# KiCad board backplane.20-slot.kicad_pcb (continued)
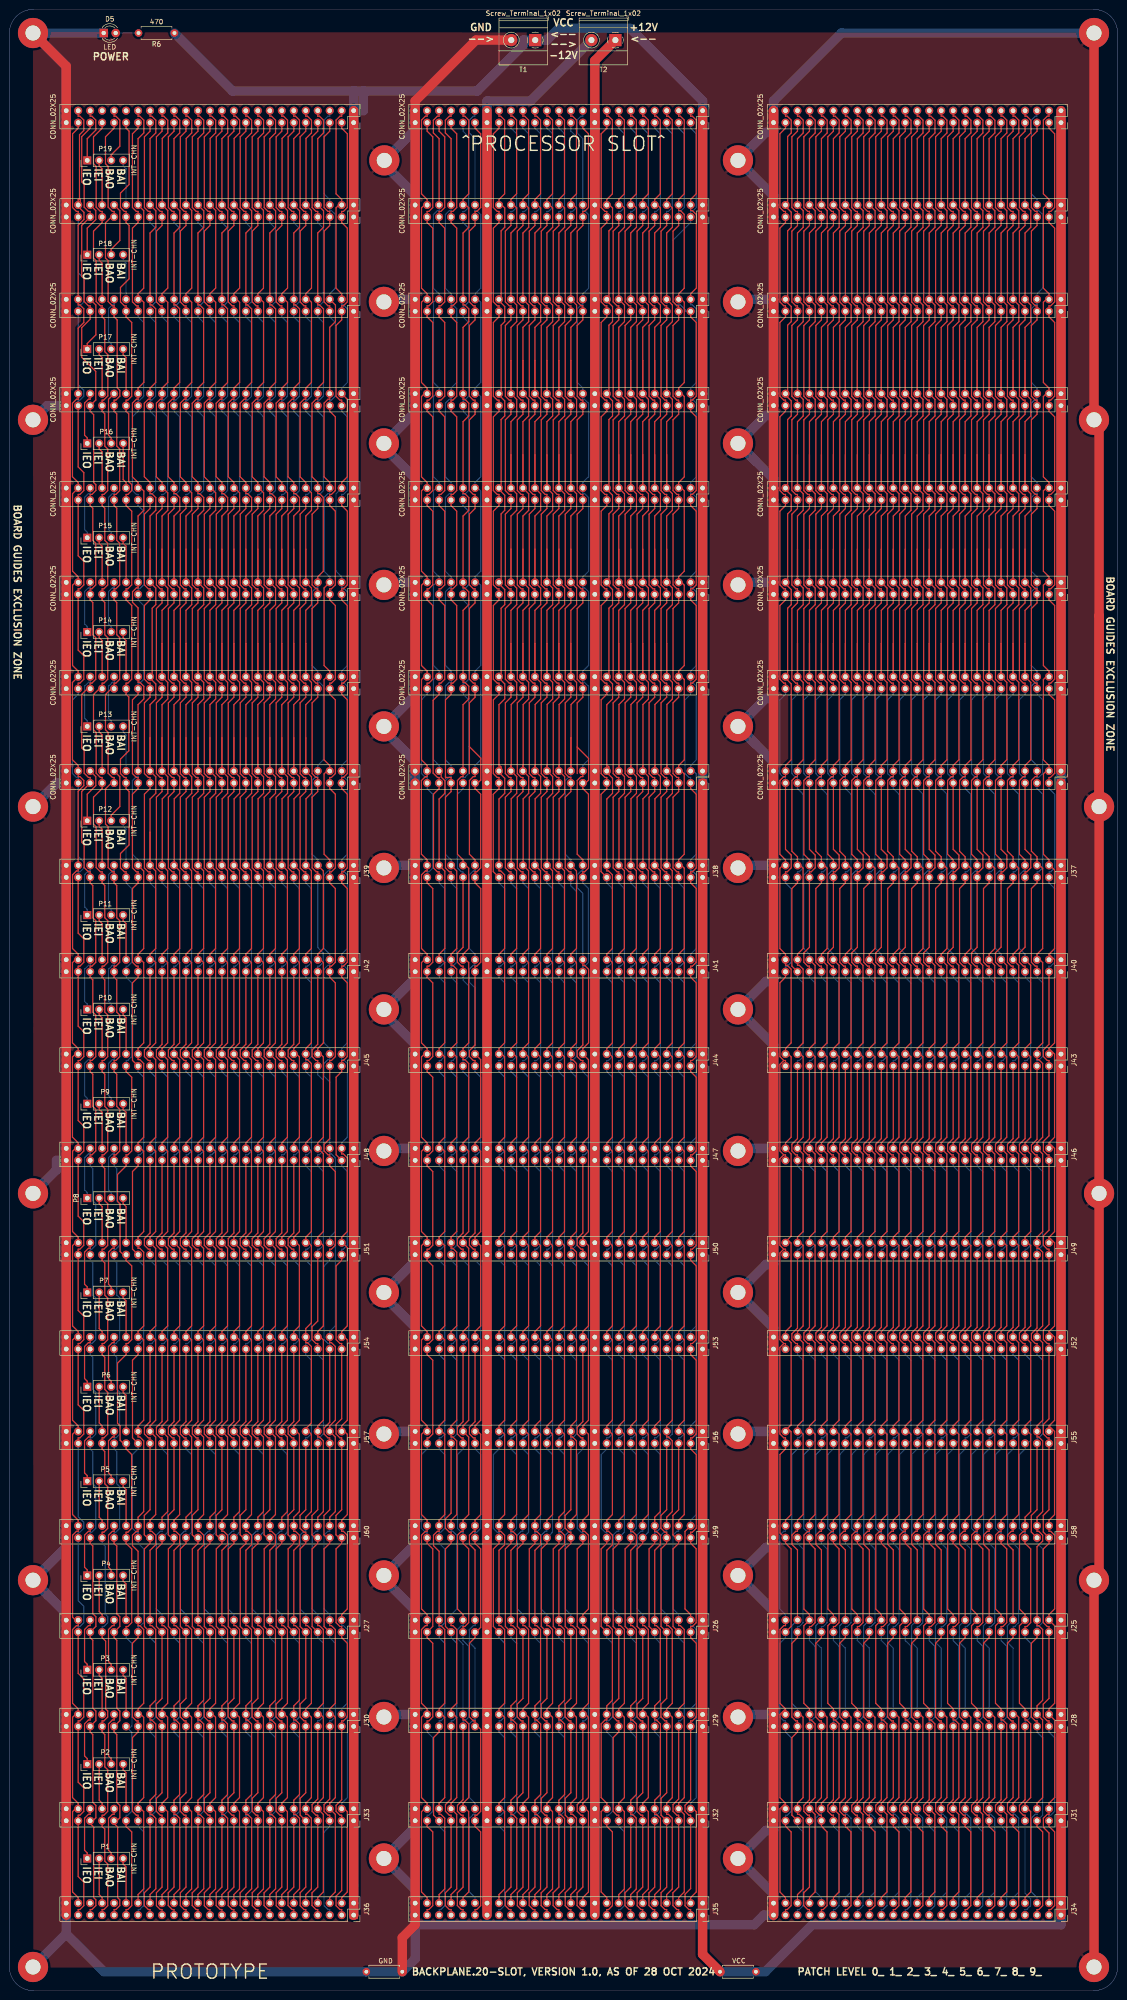
[diagram p0: board, top side]
## Routing (per net, layer and track width the routed paths; a pad name or vN(x,y) marks a point on that pad's centre or on a via; arc(x,y) is an arc through that point) (continued)
  Top w0.25: 60.35,238.54 60.35,252.65 61.52,253.82 61.52,257.32 J1.12 ; 60.35,238.54 60.3,238.54 ; 60.35,238.54 61.49,237.4 61.49,220.91 60.3,219.72 60.3,219.13 ; 60.3,285.57 60.3,292.6 61.52,293.82 61.52,297.32 J7.12 ; 60.3,285.57 J4.12 ; 60.3,285.57 J4.12 ; 60.3,238.54 J39.12 60.3,238.54 ; J42.12 60.3,219.13 ; 60.3,219.13 61.49,217.93 61.49,200.91 60.3,199.72 60.3,199.13 ; 60.3,179.13 60.3,179.72 61.49,180.91 61.49,197.93 60.3,199.13 ; 60.3,179.13 J48.12 ; 60.3,179.13 61.49,177.93 61.49,160.91 60.3,159.72 60.3,159.13 ; J4.12 61.52,277.32 61.52,273.82 60.3,272.6 60.3,265.57 ; J57.12 60.3,119.13 ; 60.3,119.13 60.3,119.72 61.49,120.91 61.49,137.93 60.3,139.13 ; 60.3,119.13 61.49,117.93 61.49,101.55 60.3,100.35 J60.12 60.3,97.36 60.66,97.36 61.49,96.54 61.49,94.52 60.3,93.33 J27.12 60.3,77.36 60.67,77.36 61.49,76.54 61.49,61.55 60.3,60.35 J30.12 60.3,57.36 60.66,57.36 61.51,56.52 61.51,41.57 60.3,40.35 J33.12 60.3,37.36 60.66,37.36 61.52,36.51 61.52,21.57 60.3,20.35 J36.12 ; J45.12 60.3,199.13 ; 60.3,139.13 60.3,139.72 61.49,140.91 61.49,157.93 60.3,159.13 ; 60.3,139.13 J54.12 ; 60.3,305.57 J7.12 ; 60.3,305.57 J7.12 ; 60.3,305.57 60.3,312.6 61.52,313.82 61.52,316.51 60.67,317.36 60.3,317.36 J10.12 60.3,319.72 59.08,320.93 59.08,336.51 59.93,337.36 60.3,337.36 J13.12 60.3,339.72 61.53,340.94 61.53,356.5 60.66,357.36 60.3,357.36 J16.12 60.3,372.6 61.53,373.83 61.53,377.31 J19.12 60.3,392.6 61.52,393.82 61.52,396.51 60.67,397.36 60.3,397.36 J22.12 ; J51.12 60.3,159.13 ; 60.3,265.57 J1.12 ; 60.3,265.57 J1.12
/~{INT2}: length 425.3
  Top w0.25: J7.10 64.06,297.32 64.06,293.82 62.84,292.6 62.84,285.57 ; J7.10 62.84,305.57 ; J7.10 62.84,305.57 ; J42.10 62.84,219.13 ; 62.84,219.13 64.03,217.93 64.03,200.91 62.84,199.72 J45.10 62.84,197.36 63.21,197.36 64.03,196.54 64.03,180.91 62.84,179.72 62.84,179.13 ; 62.84,219.13 62.84,219.72 64.03,220.91 64.03,237.4 62.89,238.54 ; J4.10 64.06,277.32 64.06,273.82 62.84,272.6 62.84,265.57 ; J4.10 62.84,285.57 ; J4.10 62.84,285.57 ; J16.10 62.84,359.13 ; 62.84,359.13 64.06,357.91 64.06,340.93 62.84,339.72 J13.10 62.84,337.36 62.47,337.36 61.65,336.54 61.65,320.91 62.84,319.72 62.84,318.74 ; 62.84,359.13 62.84,359.72 64.06,360.93 64.06,377.37 62.89,378.54 ; 62.89,238.54 62.89,252.65 64.06,253.82 64.06,257.32 J1.10 ; 62.89,238.54 62.84,238.54 ; 62.84,265.57 J1.10 ; 62.84,265.57 J1.10 ; 62.89,378.54 J19.10 ; 62.89,378.54 62.89,392.65 64.06,393.82 64.06,396.51 63.21,397.36 62.84,397.36 J22.10 ; 62.84,119.13 64.03,120.32 64.03,136.54 63.21,137.36 62.84,137.36 J54.10 62.84,140.35 64.03,141.55 64.03,157.93 62.84,159.13 ; 62.84,119.13 J57.10 ; 62.84,119.13 64.03,117.93 64.03,101.55 62.84,100.35 J60.10 ; 62.84,159.13 J51.10 ; 62.84,159.13 62.84,159.72 64.03,160.91 64.03,177.93 62.84,179.13 ; 62.84,238.54 J39.10 62.84,238.54 ; 62.84,59.13 64.03,57.94 64.03,40.91 62.84,39.72 J33.10 62.84,37.36 63.21,37.36 64.03,36.54 64.03,21.54 62.84,20.35 J36.10 ; 62.84,59.13 62.84,59.72 64.03,60.91 64.03,76.54 63.21,77.36 62.84,77.36 J27.10 ; 62.84,59.13 J30.10 ; 62.84,305.57 62.84,312.6 64.06,313.82 64.06,317.52 62.84,318.74 ; 62.84,179.13 J48.10 ; J10.10 62.84,318.74
  Bottom w0.25: J60.10 62.84,97.36 62.48,97.36 61.65,96.54 61.65,80.91 62.84,79.72 J27.10
/~{IORQ}: length 403
  Top w0.25: 65.38,95.41 65.38,94.82 64.19,93.63 64.19,77.19 J27.7 ; 65.38,95.41 64.17,96.63 64.17,100.72 65.38,101.94 J57.7 ; 65.38,95.41 J60.7 ; J42.7 65.38,200.61 64.19,199.42 64.19,198 65.01,197.18 65.38,197.18 J45.7 ; J54.7 65.38,137.18 65.01,137.18 64.17,138.02 64.17,140.72 65.38,141.94 J51.7 ; J36.7 65.38,17.18 65.01,17.18 64.16,18.03 64.16,20.72 65.38,21.94 J33.7 65.38,37.18 65.01,37.18 64.19,38 64.19,39.42 65.38,40.61 J30.7 ; J22.7 65.38,394.19 64.19,393 64.19,378 65.01,377.18 65.38,377.18 J19.7 ; J39.7 65.38,237.18 65.01,237.18 64.19,238 64.19,253 65.38,254.19 J1.7 65.38,257.18 65.01,257.18 64.19,258 64.19,273 65.38,274.19 J4.7 65.38,277.18 65.01,277.18 64.19,278 64.19,293 65.38,294.19 J7.7 65.38,297.18 65.01,297.18 64.19,298 64.19,313 65.38,314.19 J10.7
  Bottom w0.25: J57.7 65.38,117.18 65.75,117.18 66.57,118 66.57,133.63 65.38,134.82 J54.7 ; J45.7 65.38,194.19 66.57,193 66.57,178 65.75,177.18 65.38,177.18 J48.7 65.38,174.82 66.57,173.63 66.57,158 65.75,157.18 65.38,157.18 J51.7 ; J42.7 65.38,217.18 65.75,217.18 66.56,217.99 66.56,219.96 65.38,221.14 J39.7 ; J10.7 65.38,317.18 65.75,317.18 66.57,318 66.57,333.63 65.38,334.82 J13.7 65.38,337.18 65.75,337.18 66.57,338 66.57,353.63 65.38,354.82 J16.7 65.38,357.18 65.75,357.18 66.57,358 66.57,373.63 65.38,374.82 J19.7 ; J30.7 65.38,57.18 65.75,57.18 66.57,58 66.57,73.63 65.38,74.82 J27.7
/~{M1}: length 403
  Top w0.25: J36.11 60.3,17.18 59.93,17.18 59.08,18.03 59.08,20.72 60.3,21.94 J33.11 ; J22.11 60.3,394.19 59.11,393 59.11,378 59.93,377.18 60.3,377.18 J19.11 ; J51.11 60.3,157.18 59.93,157.18 59.11,158 59.11,159.42 60.3,160.61 J48.11 ; J54.11 60.3,120.61 59.11,119.42 59.11,118 59.93,117.18 60.3,117.18 J57.11 60.3,101.94 59.09,100.72 59.09,96.63 60.3,95.41 ; J42.11 60.3,200.61 59.11,199.42 59.11,198 59.93,197.18 60.3,197.18 J45.11 ; 60.3,95.41 60.3,94.82 59.11,93.63 59.11,77.19 J27.11 ; 60.3,95.41 J60.11 ; J10.11 60.3,314.19 59.11,313 59.11,298 59.93,297.18 60.3,297.18 J7.11 60.3,294.19 59.11,293 59.11,278 59.93,277.18 60.3,277.18 J4.11 60.3,274.19 59.11,273 59.11,258 59.93,257.18 60.3,257.18 J1.11 60.3,254.19 59.11,253 59.11,238 59.93,237.18 60.3,237.18 J39.11
  Bottom w0.25: J45.11 60.3,194.82 61.49,193.63 61.49,178 60.67,177.18 60.3,177.18 J48.11 ; J51.11 60.3,154.82 61.49,153.63 61.49,138 60.67,137.18 60.3,137.18 J54.11 ; J19.11 60.3,374.82 61.49,373.63 61.49,358 60.66,357.18 60.3,357.18 J16.11 60.3,354.82 61.49,353.63 61.49,338 60.66,337.18 60.3,337.18 J13.11 60.3,334.82 61.49,333.63 61.49,318 60.67,317.18 60.3,317.18 J10.11 ; J39.11 60.3,234.82 61.49,233.63 61.49,218 60.67,217.18 60.3,217.18 J42.11 ; J33.11 60.3,37.18 60.66,37.18 61.49,38 61.49,53.63 60.3,54.82 J30.11 60.3,57.18 60.66,57.18 61.49,58 61.49,73.63 60.3,74.82 J27.11
/~{MREQ}: length 402.4
  Top w0.25: J22.9 62.84,394.19 61.65,393 61.65,378 62.48,377.18 62.84,377.18 J19.9 62.84,374.19 61.66,373.01 61.66,357.99 62.48,357.18 62.84,357.18 J16.9 ; J57.9 62.84,101.94 61.63,100.72 61.63,98.02 62.47,97.18 62.84,97.18 J60.9 62.84,94.82 61.65,93.63 61.65,77.19 J27.9 62.84,61.94 61.63,60.72 61.63,58.02 62.47,57.18 62.84,57.18 J30.9 62.84,41.94 61.65,40.74 61.65,37.19 J33.9 62.84,21.94 61.65,20.75 61.65,17.99 62.47,17.18 62.84,17.18 J36.9 ; J39.9 62.84,237.18 62.48,237.18 61.65,238 61.65,253 62.84,254.19 J1.9 62.84,257.18 62.48,257.18 61.65,258 61.65,273 62.84,274.19 J4.9 62.84,277.18 62.48,277.18 61.65,278 61.65,293 62.84,294.19 J7.9 62.84,297.18 62.48,297.18 61.65,298 61.65,313 62.84,314.19 J10.9
  Bottom w0.25: J10.9 62.84,317.18 63.21,317.18 64.03,318 64.03,333.63 62.84,334.82 J13.9 62.84,337.18 63.21,337.18 64.03,338 64.03,353.63 62.84,354.82 J16.9 ; J39.9 62.84,234.82 64.03,233.63 64.03,218 63.21,217.18 62.84,217.18 J42.9 62.84,214.82 64.03,213.63 64.03,198 63.21,197.18 62.84,197.18 J45.9 62.84,194.82 64.03,193.63 64.03,178 63.21,177.18 62.84,177.18 J48.9 62.84,174.82 64.03,173.63 64.03,158 63.21,157.18 62.84,157.18 J51.9 62.84,154.82 64.03,153.63 64.03,138 63.21,137.18 62.84,137.18 J54.9 62.84,134.82 64.03,133.63 64.03,118 63.21,117.18 62.84,117.18 J57.9
/~{NMI}: length 403
  Top w0.25: J39.19 50.14,237.18 49.77,237.18 48.95,238 48.95,253 50.14,254.19 J1.19 50.14,257.18 49.77,257.18 48.95,258 48.95,273 50.14,274.19 J4.19 50.14,277.18 49.77,277.18 48.95,278 48.95,293 50.14,294.19 J7.19 50.14,297.18 49.77,297.18 48.95,298 48.95,313 50.14,314.19 J10.19 ; J42.19 50.14,200.61 48.95,199.42 48.95,198 49.77,197.18 50.14,197.18 J45.19 ; 50.14,95.41 48.93,96.63 48.93,100.72 50.14,101.94 J57.19 50.14,117.18 49.77,117.18 48.95,118 48.95,119.42 50.14,120.61 J54.19 ; 50.14,95.41 50.14,94.82 48.95,93.63 48.95,77.19 J27.19 ; 50.14,95.41 J60.19 ; J48.19 50.14,160.61 48.95,159.42 48.95,158 49.77,157.18 50.14,157.18 J51.19 ; J36.19 50.14,17.18 49.77,17.18 48.92,18.03 48.92,20.72 50.14,21.94 J33.19 ; J22.19 50.14,394.19 48.95,393 48.95,378 49.77,377.18 50.14,377.18 J19.19
  Bottom w0.25: J27.19 50.14,74.82 51.33,73.63 51.33,58 50.51,57.18 50.14,57.18 J30.19 50.14,54.82 51.33,53.63 51.33,38 50.51,37.18 50.14,37.18 J33.19 ; J45.19 50.14,194.82 51.33,193.63 51.33,178 50.51,177.18 50.14,177.18 J48.19 ; J10.19 50.14,317.18 50.51,317.18 51.33,318 51.33,333.63 50.14,334.82 J13.19 50.14,337.18 50.51,337.18 51.33,338 51.33,353.63 50.14,354.82 J16.19 50.14,357.18 50.51,357.18 51.33,358 51.33,373.63 50.14,374.82 J19.19 ; J42.19 50.14,217.18 50.51,217.18 51.33,218 51.33,233.63 50.14,234.82 J39.19 ; J51.19 50.14,154.82 51.33,153.63 51.33,138 50.51,137.18 50.14,137.18 J54.19
/~{RD}: length 403
  Top w0.25: J36.3 70.46,17.18 70.09,17.18 69.27,18 69.27,20.02 70.46,21.21 J33.3 70.46,37.18 70.09,37.18 69.27,38 69.27,39.27 70.46,40.46 J30.3 70.46,57.18 70.83,57.18 71.68,58.02 71.68,73.61 70.46,74.82 J27.3 70.46,77.18 70.09,77.18 69.27,78 69.27,93.63 70.46,94.82 70.46,95.41 ; J60.3 70.46,95.41 ; 70.46,95.41 69.24,96.63 69.24,100.72 70.46,101.94 J57.3 70.46,117.18 70.09,117.18 69.27,118 69.27,120.02 70.46,121.21 J54.3 70.46,137.18 70.09,137.18 69.27,138 69.27,153.63 70.46,154.82 J51.3 ; J48.3 69.28,177.18 69.28,193.64 70.46,194.82 J45.3 70.46,197.18 70.82,197.18 71.65,198 71.65,213.63 70.46,214.82 J42.3 70.46,217.18 70.82,217.18 71.65,218 71.65,233.63 70.46,234.82 J39.3 70.46,237.18 70.82,237.18 71.66,238 71.66,253.63 70.46,254.82 J1.3 70.46,257.18 70.82,257.18 71.66,258 71.66,273.63 70.46,274.82 J4.3 70.46,277.18 70.82,277.18 71.66,278 71.66,293.63 70.46,294.82 J7.3 70.46,297.18 70.82,297.18 71.66,298 71.66,313.63 70.46,314.82 J10.3 ; J22.3 70.46,394.82 71.66,393.63 71.66,378 70.82,377.18 70.46,377.18 J19.3 70.46,374.82 71.66,373.63 71.66,358 70.82,357.18 70.46,357.18 J16.3 70.46,354.19 69.27,353 69.27,338 70.09,337.18 70.46,337.18 J13.3
  Bottom w0.25: J51.3 70.46,157.18 70.83,157.18 71.65,158 71.65,173.63 70.46,174.82 J48.3 ; J10.3 70.46,317.18 70.82,317.18 71.65,318 71.65,333.63 70.46,334.82 J13.3
/~{RES_IN}: length 425.3
  Top w0.25: J7.20 51.36,297.32 51.36,293.82 50.14,292.6 50.14,285.57 ; J7.20 50.14,305.57 ; J7.20 50.14,305.57 ; 50.14,265.57 50.14,272.6 51.36,273.82 51.36,277.32 J4.20 ; 50.14,265.57 J1.20 ; 50.14,265.57 J1.20 ; 50.14,159.13 50.14,159.72 51.33,160.91 51.33,177.93 50.14,179.13 ; 50.14,159.13 J51.20 ; 50.14,159.13 J51.20 ; 50.14,285.57 J4.20 ; 50.14,285.57 J4.20 ; 50.14,305.57 50.14,312.6 51.36,313.82 51.36,316.51 50.51,317.36 50.14,317.36 J10.20 50.14,319.72 48.92,320.93 48.92,336.51 49.77,337.36 50.14,337.36 J13.20 50.14,339.72 51.37,340.94 51.37,356.5 50.51,357.36 50.14,357.36 J16.20 50.14,372.6 51.37,373.83 51.37,377.31 J19.20 50.14,392.6 51.36,393.82 51.36,396.51 50.51,397.36 50.14,397.36 J22.20 ; 50.14,199.13 J45.20 ; 50.14,199.13 J45.20 ; 50.14,199.13 50.14,199.72 51.33,200.91 51.33,217.93 50.14,219.13 ; J45.20 51.33,197.35 51.33,180.91 50.14,179.72 50.14,179.13 ; 50.14,238.54 J39.20 50.14,238.54 ; 50.14,238.54 50.19,238.54 ; 50.14,139.13 51.33,137.93 51.33,120.91 50.14,119.72 50.14,119.13 ; 50.14,139.13 50.14,139.72 51.33,140.91 51.33,157.35 J51.20 ; 50.14,139.13 J54.20 ; 50.14,179.13 J48.20 ; J1.20 51.36,257.32 51.36,253.82 50.19,252.65 50.19,238.54 ; 50.19,238.54 51.33,237.4 51.33,220.91 50.14,219.72 50.14,219.13 ; J57.20 50.14,119.13 ; J57.20 50.14,119.13 ; J57.20 51.33,117.35 51.33,100.91 50.14,99.72 J60.20 50.14,97.36 50.51,97.36 51.33,96.54 51.33,94.52 50.14,93.33 J27.20 50.14,77.36 50.51,77.36 51.33,76.54 51.33,61.55 50.14,60.35 J30.20 50.14,57.36 50.51,57.36 51.35,56.52 51.35,41.57 50.14,40.35 J33.20 50.14,37.36 50.51,37.36 51.36,36.51 51.36,21.57 50.14,20.35 J36.20 ; J42.20 50.14,219.13
/~{RES_OUT}: length 402.4
  Top w0.25: J39.21 47.6,237.18 47.23,237.18 46.41,238 46.41,253 47.6,254.19 J1.21 47.6,257.18 47.23,257.18 46.41,258 46.41,273 47.6,274.19 J4.21 47.6,277.18 47.23,277.18 46.41,278 46.41,293 47.6,294.19 J7.21 47.6,297.18 47.23,297.18 46.41,298 46.41,313 47.6,314.19 J10.21 ; J60.21 47.6,94.82 46.41,93.63 46.41,77.19 J27.21 47.6,61.94 46.39,60.72 46.39,58.02 47.23,57.18 47.6,57.18 J30.21 47.6,41.94 46.37,40.71 46.37,38.03 47.23,37.18 47.6,37.18 J33.21 47.6,21.94 46.4,20.74 46.4,18.01 47.23,17.18 47.6,17.18 J36.21 ; J45.21 47.6,197.18 47.23,197.18 46.41,198 46.41,199.42 47.6,200.61 J42.21 ; J51.21 47.6,157.18 47.23,157.18 46.41,158 46.41,159.42 47.6,160.61 J48.21 ; J57.21 47.6,117.18 47.23,117.18 46.41,118 46.41,119.42 47.6,120.61 J54.21 ; J22.21 47.6,394.19 46.41,393 46.41,378 47.23,377.18 47.6,377.18 J19.21 47.6,374.19 46.42,373.01 46.42,357.99 47.23,357.18 47.6,357.18 J16.21
  Bottom w0.25: J42.21 47.6,217.18 47.97,217.18 48.79,218 48.79,233.63 47.6,234.82 J39.21 ; J45.21 47.6,194.82 48.79,193.63 48.79,178 47.97,177.18 47.6,177.18 J48.21 ; J54.21 47.6,137.18 47.97,137.18 48.79,138 48.79,153.63 47.6,154.82 J51.21 ; J57.21 47.6,114.82 48.77,113.65 48.77,97.18 J60.21 ; J10.21 47.6,317.18 47.97,317.18 48.79,318 48.79,333.63 47.6,334.82 J13.21 47.6,337.18 47.96,337.18 48.79,338 48.79,353.63 47.6,354.82 J16.21
/~{RFSH}: length 402.4
  Top w0.25: J36.29 37.44,17.18 37.07,17.18 36.24,18.01 36.24,20.74 37.44,21.94 J33.29 37.44,37.18 37.07,37.18 36.21,38.03 36.21,40.71 37.44,41.94 J30.29 37.44,57.18 37.07,57.18 36.23,58.02 36.23,60.72 37.44,61.94 J27.29 36.25,77.19 36.25,93.63 37.44,94.82 J60.29 ; J22.29 37.44,394.19 36.25,393 36.25,378 37.07,377.18 37.44,377.18 J19.29 37.44,374.19 36.26,373.01 36.26,357.99 37.07,357.18 37.44,357.18 J16.29 ; J54.29 37.44,120.61 36.25,119.42 36.25,118 37.07,117.18 37.44,117.18 J57.29 ; J51.29 37.44,157.18 37.07,157.18 36.25,158 36.25,159.42 37.44,160.61 J48.29 ; J42.29 37.44,200.61 36.25,199.42 36.25,198 37.07,197.18 37.44,197.18 J45.29 ; J10.29 37.44,314.19 36.25,313 36.25,298 37.07,297.18 37.44,297.18 J7.29 37.44,294.19 36.25,293 36.25,278 37.07,277.18 37.44,277.18 J4.29 37.44,274.19 36.25,273 36.25,258 37.07,257.18 37.44,257.18 J1.29 37.44,254.19 36.25,253 36.25,238 37.07,237.18 37.44,237.18 J39.29
  Bottom w0.25: J45.29 37.44,194.82 38.63,193.63 38.63,178 37.81,177.18 37.44,177.18 J48.29 ; J10.29 37.44,317.18 37.81,317.18 38.63,318 38.63,333.63 37.44,334.82 J13.29 37.44,337.18 37.81,337.18 38.63,338 38.63,353.63 37.44,354.82 J16.29 ; J54.29 37.44,137.18 37.81,137.18 38.63,138 38.63,153.63 37.44,154.82 J51.29 ; J42.29 37.44,217.18 37.81,217.18 38.63,218 38.63,233.63 37.44,234.82 J39.29 ; J60.29 38.62,97.18 38.62,113.65 37.44,114.82 J57.29
/~{TEND0}: length 403.9
  Top w0.25: 93.66,199.13 93.66,199.72 94.85,200.91 94.85,216.54 94.03,217.36 93.66,217.36 J41.44 93.66,219.72 94.85,220.91 94.85,237.35 J38.44 ; 93.66,199.13 94.85,197.93 94.85,180.91 93.66,179.72 93.66,179.13 ; 93.66,199.13 J44.44 ; J47.44 93.66,179.13 ; 93.66,179.13 94.85,177.93 94.85,160.91 93.66,159.72 J50.44 93.66,157.36 94.03,157.36 94.85,156.54 94.85,140.91 93.66,139.72 93.66,139.13 ; J35.44 93.66,20.35 94.85,21.55 94.85,37.35 J32.44 93.66,39.72 94.85,40.91 94.85,57.93 93.66,59.13 ; J26.44 93.66,77.36 94.03,77.36 94.85,76.54 94.85,60.91 93.66,59.72 93.66,59.13 ; J29.44 93.66,59.13 ; J20.44 93.66,392.6 92.44,393.82 92.44,396.51 93.29,397.36 93.66,397.36 J23.44 ; J53.44 93.66,139.13 ; 93.66,139.13 94.85,137.93 94.85,120.91 93.66,119.72 J56.44 93.66,117.36 94.03,117.36 94.85,116.54 94.85,100.91 93.66,99.72 J59.44
  Bottom w0.25: J20.44 93.66,377.36 93.29,377.36 92.47,376.54 92.47,360.91 93.66,359.72 J17.44 93.66,357.36 94.03,357.36 94.85,356.54 94.85,340.91 93.66,339.72 J14.44 93.66,337.36 93.29,337.36 92.47,336.54 92.47,320.91 93.66,319.72 J11.44 93.66,317.36 93.29,317.36 92.47,316.54 92.47,300.91 93.66,299.72 J8.44 93.66,297.36 93.29,297.36 92.47,296.54 92.47,280.91 93.66,279.72 J5.44 93.66,277.36 93.29,277.36 92.47,276.54 92.47,260.91 93.66,259.72 J2.44 93.66,257.36 93.29,257.36 92.47,256.54 92.47,240.91 93.66,239.72 J38.44 ; J59.44 93.66,97.36 94.03,97.36 94.85,96.54 94.85,80.91 93.66,79.72 J26.44
/~{TEND1}: length 406.1
  Top w0.25: J44.40 99.93,197.35 99.93,180.91 98.74,179.72 98.74,179.13 ; 98.74,179.13 99.93,177.93 99.93,160.91 98.74,159.72 98.74,159.13 ; 98.74,179.13 J47.40 ; 98.74,139.13 98.74,139.72 99.93,140.91 99.93,157.93 98.74,159.13 ; 98.74,139.13 99.93,137.93 99.93,120.91 98.74,119.72 98.74,119.13 ; 98.74,139.13 J53.40 ; 98.74,119.13 99.93,117.93 99.93,100.91 98.74,99.72 J59.40 98.74,97.36 98.37,97.36 97.55,96.54 97.55,94.6 98.74,93.4 J26.40 ; 98.74,119.13 J56.40 ; 98.74,159.13 J50.40 ; J2.40 98.74,257.36 98.37,257.36 97.55,256.54 97.55,240.91 98.74,239.72 J38.40
  Bottom w0.25: 98.74,319.13 99.96,317.91 99.96,300.93 98.74,299.72 98.74,299.13 ; 98.74,319.13 J11.40 ; 98.74,319.13 98.74,319.72 99.96,320.93 99.96,337.91 98.74,339.13 ; J2.40 98.74,259.72 99.96,260.93 99.96,277.91 98.74,279.13 ; J5.40 98.74,279.13 ; 98.74,279.13 98.74,279.72 99.96,280.93 99.96,297.91 98.74,299.13 ; J44.40 98.74,212.6 97.52,213.82 97.52,216.51 98.37,217.36 98.74,217.36 J41.40 98.74,219.72 97.55,220.91 97.55,236.54 98.37,237.36 98.74,237.36 J38.40 ; 98.74,339.13 98.74,339.72 99.96,340.93 99.96,357.91 98.74,359.13 ; 98.74,339.13 J14.40 ; J23.40 98.74,397.36 98.37,397.36 97.52,396.51 97.52,393.82 98.74,392.6 J20.40 98.74,377.36 99.11,377.36 99.96,376.52 99.96,360.93 98.74,359.72 98.74,359.13 ; J35.40 98.74,19.72 97.55,20.91 97.55,36.54 98.37,37.36 98.74,37.36 J32.40 98.74,39.72 97.56,40.89 97.56,56.55 98.37,57.36 98.74,57.36 J29.40 98.74,72.6 97.53,73.82 97.53,76.52 98.37,77.36 98.74,77.36 J26.40 ; 98.74,299.13 J8.40 ; J17.40 98.74,359.13
/~{VMA}: length 403.2
  Top w0.25: J28.39 174.74,40.46 173.55,39.27 173.55,38 174.37,37.18 174.74,37.18 J31.39 ; J43.39 174.74,180.61 173.55,179.42 173.55,178 174.37,177.18 174.74,177.18 J46.39 ; J25.39 174.74,77.18 175.11,77.18 175.93,78 175.93,93.63 174.74,94.82 J58.39 ; J6.39 174.74,277.18 174.38,277.18 173.55,278 173.55,293 174.74,294.19 J9.39 174.74,297.18 174.38,297.18 173.55,298 173.55,313 174.74,314.19 J12.39 174.74,317.18 174.38,317.18 173.55,318 173.55,333 174.74,334.19 J15.39 174.74,337.18 174.38,337.18 173.55,338 173.55,353 174.74,354.19 J18.39 174.74,357.18 174.38,357.18 173.55,358 173.55,373 174.74,374.19 J21.39 174.74,377.18 174.38,377.18 173.55,378 173.55,393 174.74,394.19 J24.39 ; J40.39 174.74,217.18 174.37,217.18 173.55,218 173.55,219.99 174.74,221.18 J37.39 174.74,237.18 175.11,237.18 175.96,238.03 175.96,240.72 174.74,241.94 J3.39 ; J52.39 174.74,137.18 174.37,137.18 173.55,138 173.55,139.42 174.74,140.61 J49.39
  Bottom w0.25: 174.74,115.41 175.93,116.61 175.93,133.63 174.74,134.82 J52.39 ; 174.74,115.41 J55.39 ; 174.74,115.41 174.74,114.82 173.55,113.63 173.55,98 174.37,97.18 174.74,97.18 J58.39 ; J25.39 174.74,74.19 175.93,73 175.93,58 175.11,57.18 174.74,57.18 J28.39 ; J43.39 174.74,197.18 175.11,197.18 175.93,198 175.93,213.63 174.74,214.82 J40.39 ; J3.39 174.74,257.18 174.37,257.18 173.55,258 173.55,273.63 174.74,274.82 J6.39 ; J46.39 174.74,174.82 175.93,173.63 175.93,158 175.11,157.18 174.74,157.18 J49.39 ; J34.39 174.74,17.18 175.11,17.18 175.93,18 175.93,33.63 174.74,34.82 J31.39
/~{VPA}: length 403.2
  Top w0.25: J52.37 177.28,137.18 176.91,137.18 176.09,138 176.09,139.42 177.28,140.61 J49.37 ; J37.37 177.28,234.82 176.09,233.63 176.09,218 176.91,217.18 177.28,217.18 J40.37 ; J46.37 177.28,177.18 176.91,177.18 176.09,178 176.09,179.42 177.28,180.61 J43.37 ; J24.37 177.28,394.19 176.09,393 176.09,378 176.91,377.18 177.28,377.18 J21.37 177.28,374.19 176.09,373 176.09,358 176.91,357.18 177.28,357.18 J18.37 177.28,354.19 176.09,353 176.09,338 176.91,337.18 177.28,337.18 J15.37 177.28,334.19 176.09,333 176.09,318 176.91,317.18 177.28,317.18 J12.37 177.28,314.19 176.09,313 176.09,298 176.91,297.18 177.28,297.18 J9.37 177.28,294.19 176.09,293 176.09,278 176.91,277.18 177.28,277.18 J6.37 ; J25.37 177.28,74.82 176.09,73.63 176.09,58 176.91,57.18 177.28,57.18 J28.37 177.28,40.91 176.09,39.72 176.09,38 176.91,37.18 177.28,37.18 J31.37 177.28,34.82 178.47,33.63 178.47,18 177.65,17.18 177.28,17.18 J34.37
  Bottom w0.25: 177.28,95.41 176.1,96.59 176.1,113.65 177.28,114.82 J55.37 177.28,117.18 177.65,117.18 178.47,118 178.47,133.63 177.28,134.82 J52.37 ; 177.28,95.41 J58.37 ; 177.28,95.41 177.28,94.82 178.47,93.63 178.47,78 177.65,77.18 177.28,77.18 J25.37 ; J46.37 177.28,174.82 178.47,173.63 178.47,158 177.65,157.18 177.28,157.18 J49.37 ; J6.37 177.28,274.82 176.09,273.63 176.09,258 176.91,257.18 177.28,257.18 J3.37 177.28,254.82 178.47,253.63 178.47,238 177.65,237.18 177.28,237.18 J37.37 ; J40.37 177.28,214.82 178.47,213.63 178.47,198 177.65,197.18 177.28,197.18 J43.37
/~{WAIT}: length 402.4
  Top w0.25: J39.25 42.52,237.18 42.15,237.18 41.33,238 41.33,253 42.52,254.19 J1.25 42.52,257.18 42.15,257.18 41.33,258 41.33,273 42.52,274.19 J4.25 42.52,277.18 42.15,277.18 41.33,278 41.33,293 42.52,294.19 J7.25 42.52,297.18 42.15,297.18 41.33,298 41.33,313 42.52,314.19 J10.25 ; J57.25 42.52,117.18 42.15,117.18 41.33,118 41.33,119.42 42.52,120.61 J54.25 ; J36.25 42.52,17.18 42.15,17.18 41.33,17.99 41.33,20.75 42.52,21.94 J33.25 42.52,37.18 42.15,37.18 41.33,38 41.33,40.74 42.52,41.94 J30.25 42.52,57.18 42.15,57.18 41.31,58.02 41.31,60.72 42.52,61.94 J27.25 41.33,77.19 41.33,93.63 42.52,94.82 J60.25 ; J51.25 42.52,157.18 42.15,157.18 41.33,158 41.33,159.42 42.52,160.61 J48.25 ; J16.25 42.52,357.18 42.15,357.18 41.34,357.99 41.34,373.01 42.52,374.19 J19.25 42.52,377.18 42.15,377.18 41.33,378 41.33,393 42.52,394.19 J22.25 ; J42.25 42.52,200.61 41.33,199.42 41.33,198 42.15,197.18 42.52,197.18 J45.25
  Bottom w0.25: J48.25 42.52,177.18 42.89,177.18 43.71,178 43.71,193.63 42.52,194.82 J45.25 ; J10.25 42.52,317.18 42.89,317.18 43.71,318 43.71,333.63 42.52,334.82 J13.25 42.52,337.18 42.89,337.18 43.71,338 43.71,353.63 42.52,354.82 J16.25 ; J60.25 43.7,97.18 43.7,113.65 42.52,114.82 J57.25 ; J54.25 42.52,137.18 42.89,137.18 43.71,138 43.71,153.63 42.52,154.82 J51.25 ; J39.25 42.52,234.82 43.71,233.63 43.71,218 42.89,217.18 42.52,217.18 J42.25
/~{WR}: length 403
  Top w0.25: J27.5 66.73,77.19 66.73,93.63 67.92,94.82 67.92,95.41 ; 67.92,95.41 66.7,96.63 66.7,100.72 67.92,101.94 J57.5 67.92,117.18 67.56,117.18 66.73,118 66.73,119.27 67.92,120.46 J54.5 ; 67.92,95.41 J60.5 ; J33.5 67.92,37.18 67.56,37.18 66.73,38 66.73,39.42 67.92,40.61 J30.5 ; J16.5 67.92,357.18 67.56,357.18 66.74,357.99 66.74,373.01 67.92,374.19 J19.5 67.92,377.18 67.56,377.18 66.73,378 66.73,393 67.92,394.19 J22.5 ; J13.5 67.92,334.82 69.11,333.63 69.11,318 68.28,317.18 67.92,317.18 J10.5 67.92,314.82 69.11,313.63 69.11,298 68.28,297.18 67.92,297.18 J7.5 67.92,294.82 69.11,293.63 69.11,278 68.28,277.18 67.92,277.18 J4.5 67.92,274.82 69.11,273.63 69.11,258 68.28,257.18 67.92,257.18 J1.5 67.92,254.82 69.11,253.63 69.11,238 68.28,237.18 67.92,237.18 J39.5 67.92,234.82 69.11,233.63 69.11,218 68.28,217.18 67.92,217.18 J42.5 67.92,214.82 69.11,213.63 69.11,198 68.28,197.18 67.92,197.18 J45.5 67.92,180.61 66.74,179.43 66.74,178 67.57,177.18 67.92,177.18 J48.5 67.92,174.82 69.11,173.63 69.11,158 68.28,157.18 67.92,157.18 J51.5
  Bottom w0.25: J30.5 67.92,57.18 68.29,57.18 69.11,58 69.11,73.63 67.92,74.82 J27.5 ; J51.5 67.92,154.82 66.73,153.63 66.73,138 67.56,137.18 67.92,137.18 J54.5 ; J33.5 67.92,34.82 66.73,33.63 66.73,18 67.56,17.18 67.92,17.18 J36.5 ; J13.5 67.92,337.18 68.28,337.18 69.11,338 69.11,353.63 67.92,354.82 J16.5
Net-(D5-Pad2): length 4.8
  Bottom w0.25: R6.2 D5.2

## Copper pours and planes (outline as drawn; the poured copper is in the pictures)
GND on Top, Bottom: 230.14,415.12 230.08,4.91 5.07,4.86 4.99,415.15

## Text on the board
F.Silkscreen: GND | VCC | POWER | GND / --> | VCC / <-- | --> / -12V | BACKPLANE.20-SLOT, VERSION 1.0, AS OF 28 OCT 2024 | +12V / <-- | PATCH LEVEL 0_ 1_ 2_ 3_ 4_ 5_ 6_ 7_ 8_ 9_ | BAI / BAO / IEI / IEO | BOARD GUIDES EXCLUSION ZONE | PROTOTYPE | ^PROCESSOR SLOT^
